# KiCad board FPGA_dev_board.kicad_pcb (continued)
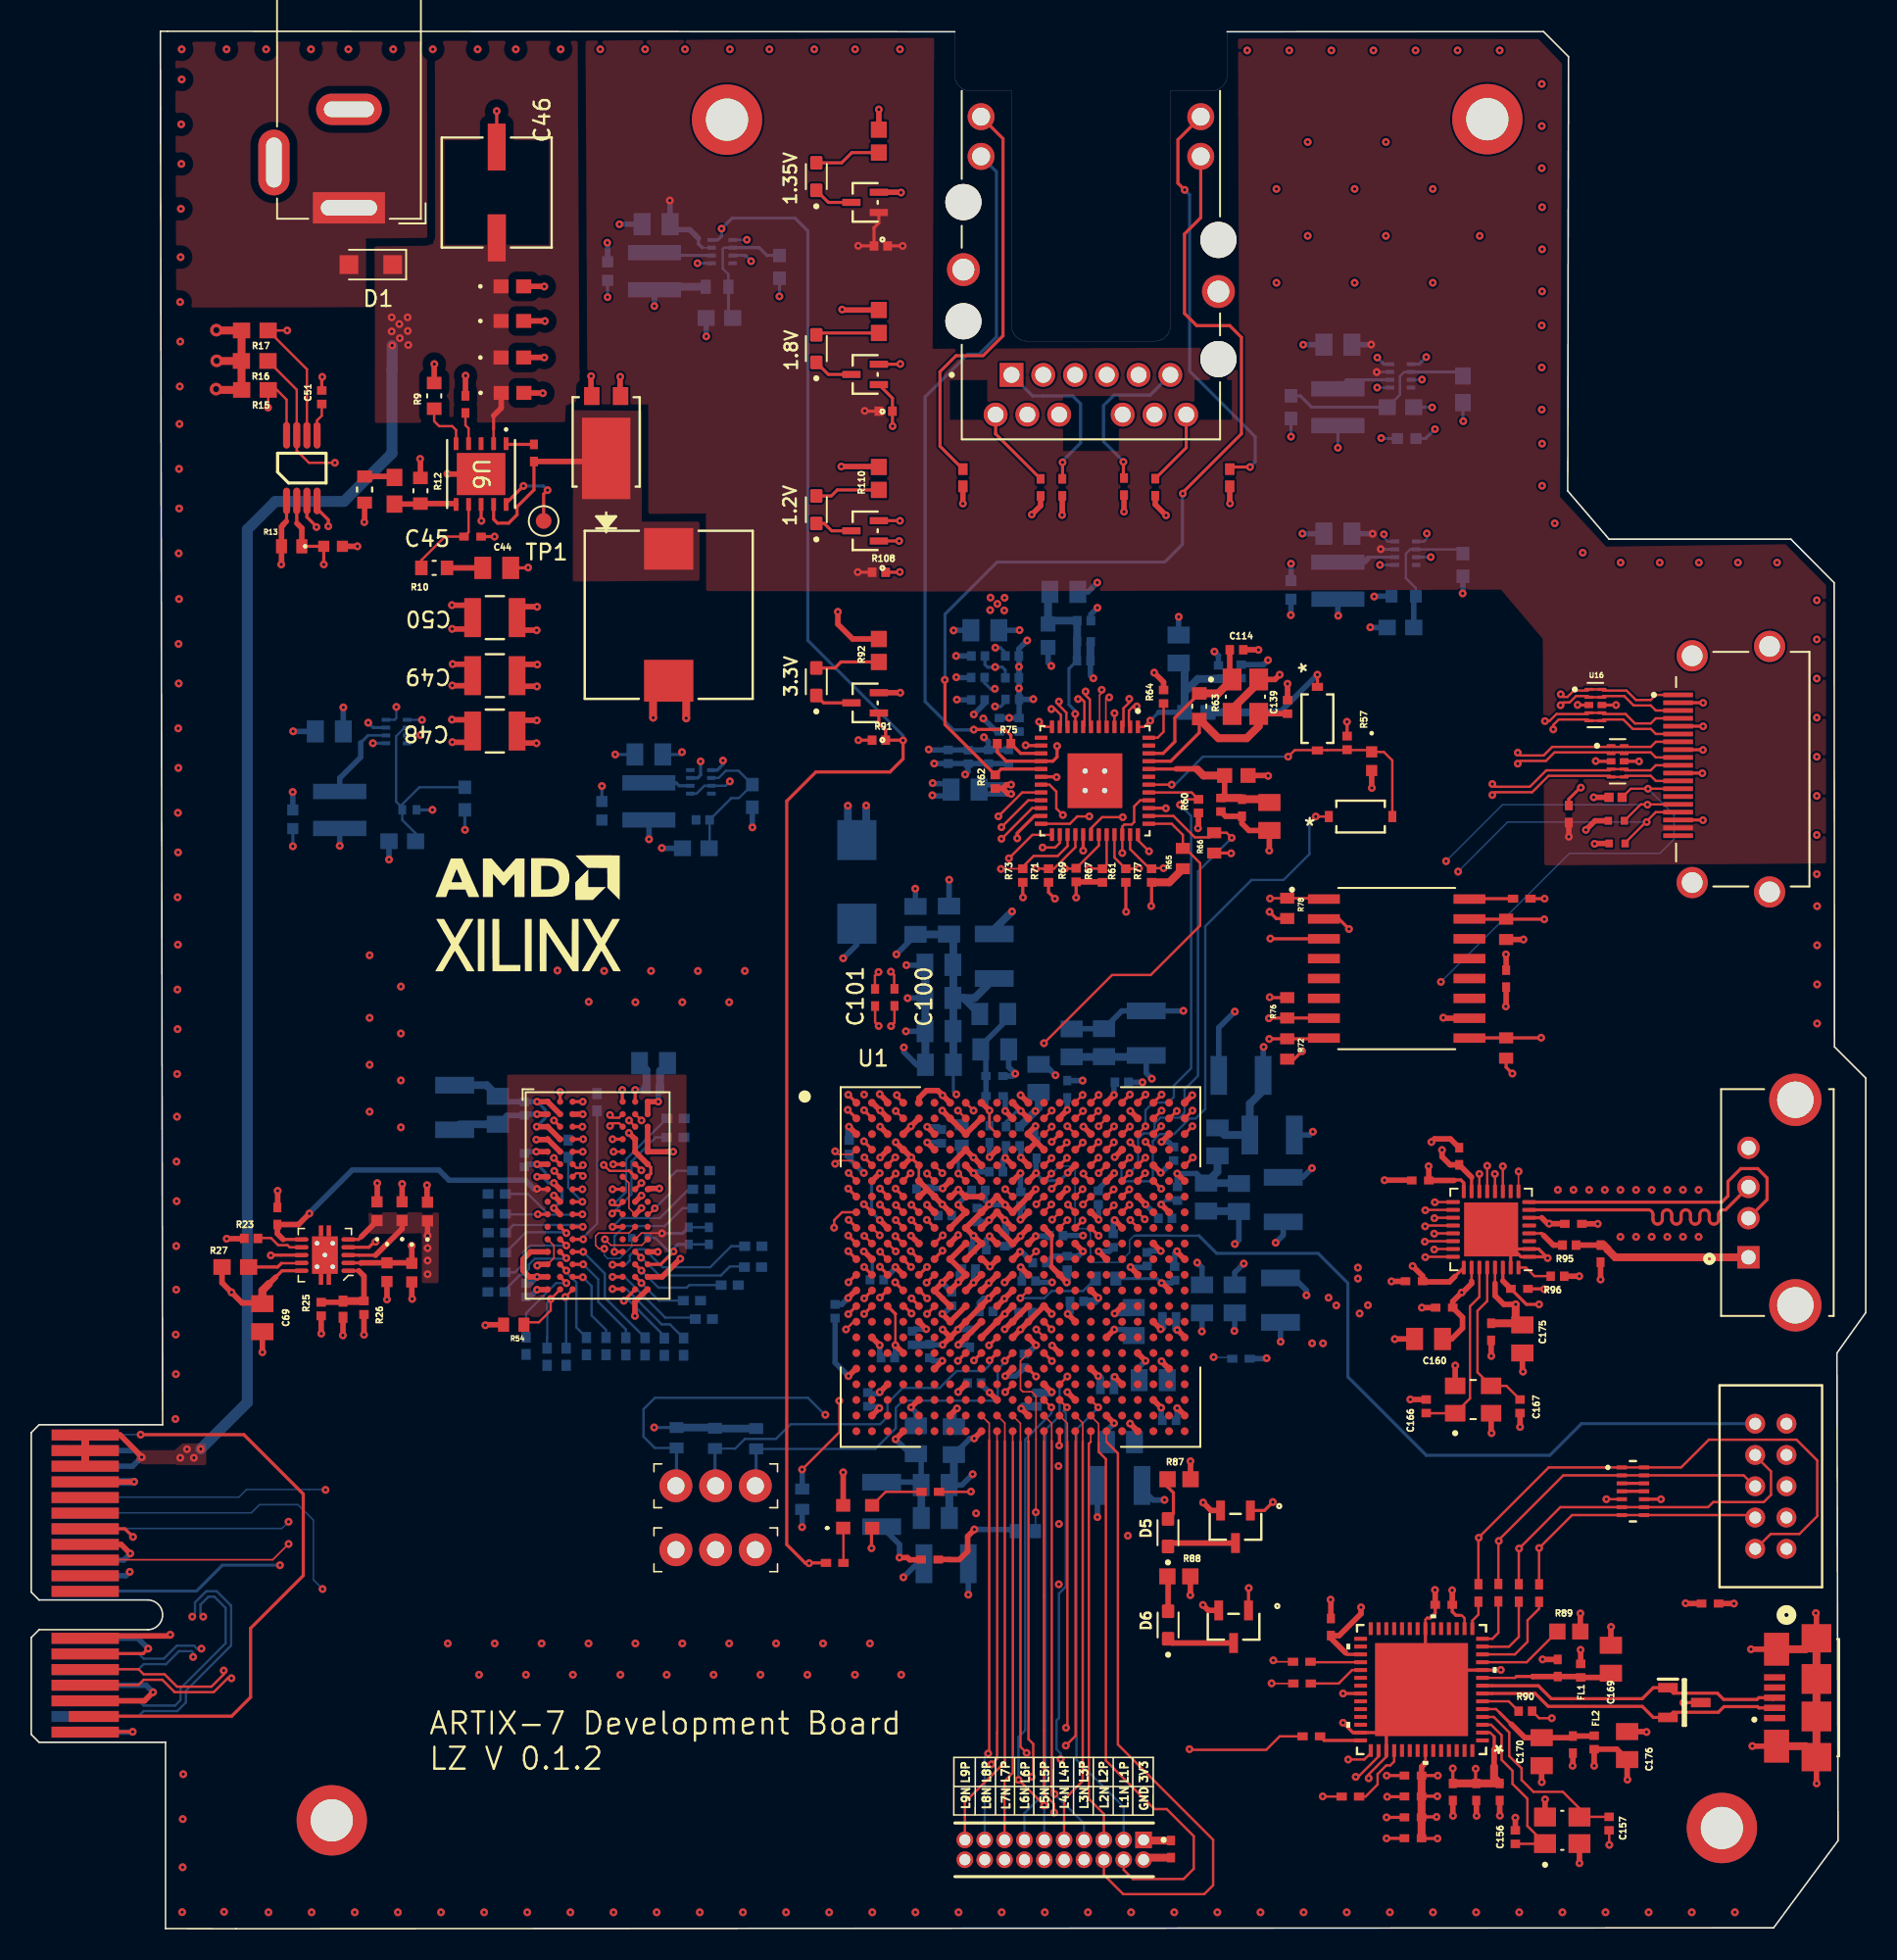
[diagram p0: board, top side]
## Nets (continued)
VCC1V2: C57.1 C58.1 C115.1 C130.1 C131.1 C132.1 C133.1 C134.1 C135.1 C137.1 C138.1 C143.1 C144.1 C145.1 FB2.2 FB3.2 L6.2 R19.1 R68.1 U1.B5 U1.B7 U1.B9 U1.B11 U1.C4 U1.C8 U11.14 U11.18 U11.23 U11.26 U11.30 U11.39
VCC1V8: C19.1 C20.1 C21.1 C22.1 C23.1 C24.1 C25.1 C26.1 C27.1 C28.1 C29.1 C32.1 C34.1 C153.1 C154.1 C155.1 C160.1 C161.1 C165.1 C173.1 C174.1 C175.1 L1.2 R1.1 U1.E12 U1.H12 U1.K10 U1.K12 U1.M12 U1.P12 U1.R11 U12.2 U12.31 U12.43 U13.15 U13.26 U13.29
VCC1V8_EN: R16.1 U2.1 U4.7
VCC1V35: C54.1 C55.1 C60.2 C64.1 C65.1 C72.2 C73.2 C74.2 C75.2 C76.2 C77.2 C78.2 C79.2 C80.2 C81.2 C82.2 C83.2 C84.2 C85.2 C86.2 C87.2 C88.2 C89.2 C90.2 C91.2 L5.2 R14.1 R25.1 U1.AA7 U1.AB4 U1.C1 U1.F2 U1.H6 U1.J3 U1.M4 U1.N1 U1.R5 U1.T2 U1.V6 U1.W3 U9.A1 U9.A8 U9.B2 U9.C1 U9.C9 U9.D2 U9.D9 U9.E9 U9.F1 U9.G7 U9.H2 U9.H9 U9.K2 U9.K8 U9.N1 U9.N9 U9.R1 U9.R9 U10.2
VCC3V3: C37.1 C38.1 C59.1 C69.1 C92.1 C93.2 C94.2 C95.2 C96.2 C97.2 C98.2 C99.2 C103.2 C104.2 C105.2 C106.2 C107.2 C108.2 C109.2 C126.1 C127.1 C128.1 C129.1 C136.1 C146.1 C147.1 C148.1 C149.1 C150.1 C151.1 C152.1 C159.1 C162.1 C163.1 C164.1 C172.1 C176.1 C177.2 C178.2 C179.2 C180.2 C181.2 C182.2 C183.2 C184.2 C185.2 C186.2 C187.2 C188.2 C189.2 C190.2 C192.1 C193.2 D4.1 FB1.2 FL1.1 FL2.1 IC1.2 J2.A9 J2.A10 J2.B8 J6.1 J8.01 L3.2 R5.1 R23.1 R27.1 R57.1 R58.2 R59.2 R60.1 R61.1 R62.1 R65.1 R66.1 R67.1 R69.1 R70.2 R71.1 R72.2 R73.1 R74.2 R75.1 R76.2 R77.1 R78.2 R80.2 R81.2 R82.2 R83.2 R84.2 R85.2 R86.2 R87.2 R88.2 R89.1 R92.2 R97.1 R106.1 R107.1 R110.2 R112.2 R113.2 U1.A17 U1.AA17 U1.AB14 U1.B14 U1.C21 U1.D18 U1.E15 U1.F12 U1.F22 U1.G19 U1.H16 U1.J13 U1.K20 U1.L17 U1.M14 U1.N21 U1.P18 U1.R15 U1.T12 U1.T22 U1.U19 U1.V16 U1.W13 U1.Y10 U1.Y20 U10.10 U11.16 U11.34 U11.40 U12.16 U12.36 U12.44 U12.50 U13.6 U13.16 U13.25 U13.30 Y4.4
VCC3V3_EN: R17.1 U4.6 U5.1 U7.1 U8.1
VCC5V0: C30.1 C31.1 C36.1 C48.1 C49.1 C50.1 C53.1 C56.1 C191.1 J7.18 L4.1 MOSFET3.1 R7.1 R8.1 R13.1 R15.2 R16.2 R17.2 R21.1 R21.2 R91.1 R108.1 U2.7 U3.7 U4.1 U5.7 U7.7 U7.8 U8.7
/ddr3/VTT: C66.1 C67.1 C68.1 R24.1 R28.1 R29.1 R30.1 R31.1 R32.1 R33.1 R34.1 R35.1 R36.1 R37.1 R38.1 R39.1 R40.1 R41.1 R42.1 R43.1 R44.1 R45.1 R46.1 R47.1 R48.1 R49.1 R50.1 R51.1 R52.1 R53.1 U10.3 U10.5
/ddr3/ZQ_TERMINATION: R22.1 U9.L8
/Ethernet/#RESET_N: C102.1 D3.2 D4.2 R57.2 U11.42
/Ethernet/ETH_XI: C114.1 R63.1 U11.46 Y1.1
/Ethernet/ETH_XO: C139.1 R63.2 U11.45 Y1.3
/Ethernet/TRD1_N: J3.10 U11.3
/Ethernet/TRD1_P: J3.11 U11.2
/Ethernet/TRD2_N: J3.5 U11.6
/Ethernet/TRD2_P: J3.4 U11.5
/Ethernet/TRD3_N: J3.2 U11.8
/Ethernet/TRD3_P: J3.3 U11.7
/Ethernet/TRD4_N: J3.9 U11.11
/Ethernet/TRD4_P: J3.8 U11.10
/FPGA Unit A/CLK_100MHZ: R93.2 U1.W11
/FPGA Unit A/CLK_OSC_OUT: R93.1 Y4.3
/FPGA Unit C/CONFIG_M00: J9.3 R83.1 U1.U11
/FPGA Unit C/CONFIG_M10: J9.2 R84.1 U1.U10
/FPGA Unit C/CONFIG_M20: J9.1 R85.1 U1.U9
/FPGA Unit D - E/HSO_RX_0_N: J2.A17 U1.A8
/FPGA Unit D - E/HSO_RX_0_P: J2.A16 U1.B8
/FPGA Unit D - E/HSO_TX_0__GTP_N: C101.1 U1.A4
/FPGA Unit D - E/HSO_TX_0__GTP_P: C100.1 U1.B4
/FPGA Unit D - E/HSO_TX_0_N: C101.2 J2.B15
/FPGA Unit D - E/HSO_TX_0_P: C100.2 J2.B14
/FPGA Unit D - E/REFCLK_N: J2.A14 U1.E6
/FPGA Unit D - E/REFCLK_P: J2.A13 U1.F6
/usb/OSC_in: C156.1 U12.3 Y2.1
/usb/OSC_out: C157.1 U12.4 Y2.3
/usb/R_TCK: R98.1 U12.12
/usb/R_TDI: R99.1 U12.13
/usb/R_TDO: R100.1 U12.14
/usb/R_TMS: R101.1 U12.15
/usb/USB1_D_N: IC2.2 J4.2 U12.7
/usb/USB1_D_P: IC2.1 J4.3 U12.8
/usb/USB3300_XI: C167.1 U13.28 Y3.3
/usb/USB3300_XO: C166.1 U13.27 Y3.1
/usb/USB_D_N: J5.2 U13.8
/usb/USB_D_P: J5.3 U13.7
/usb/VPHY: C170.1 C171.1 FL2.2 U12.5
/usb/VPLL: C168.1 C169.1 FL1.2 U12.9
DDR3_A0: R24.2 U1.L6 U9.N3
DDR3_A1: R28.2 U1.N2 U9.P7
DDR3_A2: R29.2 U1.L4 U9.P3
DDR3_A3: R30.2 U1.M6 U9.N2
DDR3_A4: R31.2 U1.P2 U9.P8
DDR3_A5: R32.2 U1.K6 U9.P2
DDR3_A6: R33.2 U1.N4 U9.R8
DDR3_A7: R34.2 U1.R1 U9.R2
DDR3_A8: R35.2 U1.N5 U9.T8
DDR3_A9: R36.2 U1.M5 U9.R3
DDR3_A10: R37.2 U1.L5 U9.L7
DDR3_A11: R38.2 U1.P1 U9.R7
DDR3_A12: R39.2 U1.M1 U9.N7
DDR3_A13: R40.2 U1.M2 U9.T3
DDR3_A14: R41.2 U1.P6 U9.T7
DDR3_BA0: R42.2 U1.J6 U9.M2
DDR3_BA1: R43.2 U1.N3 U9.N8
DDR3_BA2: R44.2 U1.M3 U9.M3
DDR3_CAS: R51.2 U1.K3 U9.K3
DDR3_CK_N: R46.2 U1.P4 U9.K7
DDR3_CK_P: R45.2 U1.P5 U9.J7
DDR3_CKE: R47.2 U1.L3 U9.K9
DDR3_CS: R49.2 U9.L2
DDR3_DQ0: U1.G3 U9.E3
DDR3_DQ1: U1.J5 U9.F7
DDR3_DQ2: U1.G4 U9.F2
DDR3_DQ3: U1.J1 U9.F8
DDR3_DQ4: U1.H5 U9.H3
DDR3_DQ5: U1.K1 U9.H8
DDR3_DQ6: U1.H4 U9.G2
DDR3_DQ7: U1.H3 U9.H7
DDR3_DQ8: U1.G1 U9.D7
DDR3_DQ9: U1.B1 U9.C3
DDR3_DQ10: U1.D2 U9.C2
DDR3_DQ11: U1.E3 U9.C8
DDR3_DQ12: U1.B2 U9.A7
DDR3_DQ13: U1.F3 U9.A2
DDR3_DQ14: U1.E2 U9.B8
DDR3_DQ15: U1.A1 U9.A3
DDR3_LDM: U1.H2 U9.E7
DDR3_LDQS_N: U1.K2 U9.G3
DDR3_LDQS_P: U1.J2 U9.F3
DDR3_ODT: R53.2 U1.K4 U9.K1
DDR3_RAS: R50.2 U1.L1 U9.J3
DDR3_RST: R48.2 R54.1 U1.F4 U9.T2
DDR3_UDM: U1.F1 U9.D3
DDR3_UDQS_N: U1.D1 U9.B7
DDR3_UDQS_P: U1.E1 U9.C7
DDR3_WE: R52.2 U1.J4 U9.L3
DONE: MOSFET5.1 R80.1 U1.G11
ETH_CLK125_OUT: R60.2 U1.C19 U11.41
ETH_INT_N: R66.2 U1.F18 U11.38
ETH_LED1: J3.15 R62.2 U11.17
ETH_LED2: J3.13 R75.2 U11.15
ETH_MDC: U1.D19 U11.36
ETH_MDIO: R65.2 U1.E14 U11.37
FB: R11.2 R12.1 U6.6
HDMI_CEC: J7.13 R97.2 U1.J16
HDMI_DDC_SCL: J7.15 R106.2 U1.G17
HDMI_DDC_SDA: J7.16 R107.2 U1.G18
HDMI_TMDS_CLK_N: J7.12 U1.H19 U15.5 U15.6
HDMI_TMDS_CLK_P: J7.10 U1.J19 U15.4 U15.7
HDMI_TMDS_D0_N: J7.9 U1.H14 U15.2 U15.9
HDMI_TMDS_D0_P: J7.7 U1.J14 U15.1 U15.10
HDMI_TMDS_D1_N: J7.6 U1.G16 U16.5 U16.6
HDMI_TMDS_D1_P: J7.4 U1.G15 U16.4 U16.7
HDMI_TMDS_D2_N: J7.3 U1.G13 U16.2 U16.9
HDMI_TMDS_D2_P: J7.1 U1.H13 U16.1 U16.10
INIT: MOSFET4.1 R82.1 U1.U12
IO_L1N: J8.04 U1.AA16
IO_L1P: J8.03 U1.Y16
IO_L2N: J8.06 U1.AB17
IO_L2P: J8.05 U1.AB16
IO_L3N: J8.08 U1.AB13
IO_L3P: J8.07 U1.AA13
IO_L4N: J8.10 U1.AB15
IO_L4P: J8.09 U1.AA15
IO_L5N: J8.12 U1.AA14
IO_L5P: J8.11 U1.Y13
IO_L6N: J8.14 U1.Y14
IO_L6P: J8.13 U1.W14
IO_L7N: J8.16 U1.AB12
IO_L7P: J8.15 U1.AB11
IO_L8N: J8.18 U1.AB10
IO_L8P: J8.17 U1.AA9
IO_L9N: J8.20 U1.AA11
IO_L9P: J8.19 U1.AA10
JTAG_TCK: J2.B9 J6.7 R98.2 U1.V12 U14.7 U14.8
JTAG_TDI: J2.A5 J6.9 R99.2 U1.R13 U14.6 U14.9
JTAG_TDO: J2.A6 J6.8 R100.2 U1.U13 U14.2 U14.13
JTAG_TMS: J2.A7 J6.6 R101.2 U1.T13 U14.1 U14.14
NRST: J6.10 U1.F13
PERST#: J2.A11 U1.F14
PROGRAM_B: R81.1 U1.N12
PRSNT: J2.A1 J2.B17
PWR12V: C39.1 C40.1 C41.1 C42.1 C46.1 D1.1 J2.A2 J2.A3 J2.B1 J2.B2 J2.B3 J2.B12 U6.2
QSPI_FLASH_CLK: R79.2 U1.B17 U1.L12
QSPI_FLASH_CS: IC1.7 R76.1 U1.A16
QSPI_FLASH_DQ0: IC1.15 R74.1 U1.A15
QSPI_FLASH_DQ1: IC1.8 R72.1 U1.B16
QSPI_FLASH_DQ2: IC1.9 R70.1 U1.C13
QSPI_FLASH_DQ3: IC1.1 R78.1 U1.B13
QSPI_FLASH_RST: IC1.3 U1.B15
RESET_OUT_N: D3.1 U1.E18
RGMII_RD0: R67.2 U1.D15 U11.32
RGMII_RD1: R69.2 U1.D14 U11.31
RGMII_RD2: R71.2 U1.D16 U11.28
RGMII_RD3: R73.2 U1.E16 U11.27
RGMII_RXC: R77.2 U1.C17 U11.35
RGMII_RXCTL: R61.2 U1.E19 U11.33
RGMII_TD0: U1.C15 U11.19
RGMII_TD1: U1.C14 U11.20
RGMII_TD2: U1.E17 U11.21
RGMII_TD3: U1.F16 U11.22
RGMII_TX_EN: U1.E13 U11.25
RGMII_TXC: U1.C18 U11.24
UART1_RXD: R103.2 U1.H17
UART1_TXD: R102.2 U1.H18
UART2_RXD: R104.2 U1.J15
UART2_TXD: R105.2 U1.H15
ULPI_CLK: U1.D17 U13.14
ULPI_DIR: U1.A20 U13.12
ULPI_DT0: U1.F20 U13.24
ULPI_DT1: U1.F19 U13.23
ULPI_DT2: U1.E22 U13.22
ULPI_DT3: U1.D20 U13.21
ULPI_DT4: U1.C20 U13.20
ULPI_DT5: U1.C22 U13.19
ULPI_DT6: U1.B21 U13.18
ULPI_DT7: U1.B22 U13.17
ULPI_NXT: U1.A19 U13.11
ULPI_RST: U1.A18 U13.9
ULPI_STP: U1.B20 U13.13
VREFDQ: C61.1 C62.1 C70.1 U9.H1 U9.M8 U10.6
Net-(C44-Pad1): C44.1 R10.2
Net-(D2-PadA): D2.A R110.1
Net-(D5-PadA): D5.A R87.1
Net-(D6-PadA): D6.A R88.1
Net-(D7-PadA): D7.A R112.1
Net-(D8-PadA): D8.A R113.1
Net-(D9-PadA): D9.A R92.1
Net-(IC1-C): IC1.16 R79.1
Net-(J3-Pad14): J3.14 R59.1
Net-(J3-Pad16): J3.16 R58.1
Net-(J3-TRCT1): C110.1 J3.12
Net-(J3-TRCT2): C111.1 J3.6
Net-(J3-TRCT3): C112.1 J3.1
Net-(J3-TRCT4): C113.1 J3.7
Net-(MOSFET1-D): D7.C MOSFET1.3
Net-(MOSFET2-D): D2.C MOSFET2.3
Net-(MOSFET3-D): D8.C MOSFET3.3
Net-(MOSFET4-D): D5.C MOSFET4.3
Net-(MOSFET5-D): D6.C MOSFET5.3
Net-(MOSFET6-D): D9.C MOSFET6.3
Net-(R11-Pad1): R8.2 R11.1
Net-(U1E-MGTRREF_216): R68.2 U1.F8
Net-(U1F-CFGBVS_0): R86.1 U1.U8
Net-(U2-FB): C32.2 R1.2 R2.1 U2.2
Net-(U2-SW): L1.1 U2.6
Net-(U3-FB): C33.2 R3.2 R4.1 U3.2
Net-(U3-SW): L2.1 U3.6
Net-(U4-TADJ): C51.1 U4.5
Net-(U5-FB): C37.2 R5.2 R6.1 U5.2
Net-(U5-SW): L3.1 U5.6
Net-(U6-BOOT): C47.2 U6.1
Net-(U6-COMP): C45.1 R10.1 U6.7
Net-(U6-RT/CLK): R9.1 U6.5
Net-(U6-SS/TR): C43.1 U6.4
Net-(U6-SW): C47.1 CR1.1 L4.2 U6.9
Net-(U7-FB): C54.2 R14.2 R18.1 U7.2
Net-(U7-SW): L5.1 U7.6
Net-(U8-FB): C57.2 R19.2 R20.1 U8.2
Net-(U8-SW): L6.1 U8.6
Net-(U10-EN): R23.2 U10.7
Net-(U10-PGOOD): R27.2 U10.9
Net-(U10-REFIN): C63.1 R25.2 R26.2 U10.1
Net-(U11-ISET): R64.1 U11.48
Net-(U12-CDBUS0): R102.1 U12.32
Net-(U12-CDBUS1): R103.1 U12.33
Net-(U12-DDBUS0): R105.1 U12.42
Net-(U12-DDBUS1): R104.1 U12.46
Net-(U12-REF): R90.2 U12.6
Net-(U12-RESET#): R89.2 U12.11
Net-(U13-RBIAS): R96.2 U13.32
Net-(U13-VBUS): R95.2 U13.4
Net-(Y4-TRI-STATE): R94.2 Y4.1

Pads without a net: IC1 4 5 6 11 12 13 14; J2 A8 B5 B6 B10 B11; J4 1 4 5; J6 4; J7 14 19; U1 A6 A10 A13 A14 A21 AA1 AA3 AA4 AA5 AA6 AA8 AA18 AA19 AA20 AA21 AB1 AB2 AB3 AB5 AB6 AB7 AB8 AB18 AB20 AB21 AB22 B6 B10 B18 C2 C5 C7 C9 C11 D5 D7 D9 D11 D21 D22 E10 E21 F10 F15 F21 G2 G20 G21 G22 H20 H22 J17 J20 J21 J22 K13 K14 K16 K17 K18 K19 K21 K22 L13 L14 L15 L16 L18 L19 L20 L21 M13 M15 M16 M17 M18 M20 M21 M22 N13 N14 N15 N17 N18 N19 N20 N22 P14 P15 P16 P17 P19 P20 P21 P22 R2 R3 R4 R6 R14 R16 R17 R18 R19 R21 R22 T1 T3 T4 T5 T6 T14 T15 T16 T18 T19 T20 T21 U1 U2 U3 U5 U6 U7 U15 U16 U17 U18 U20 U21 U22 V2 V3 V4 V5 V7 V8 V9 V10 V13 V14 V15 V17 V18 V19 V20 V22 W1 W2 W4 W5 W6 W7 W9 W10 W12 W15 W16 W17 W19 W20 W21 W22 Y1 Y2 Y3 Y4 Y6 Y7 Y8 Y9 Y11 Y12 Y17 Y18 Y19 Y21 Y22; U2 4; U3 4 8; U5 4; U6 3; U7 4; U8 4; U9 J1 J9 L1 L9 M7; U10 11; U11 13 43 47; U12 1 17 18 19 20 22 23 24 25 26 27 28 29 30 34 35 37 38 39 40 47 48 49 51 52 53 54 55 56; U13 3 5 10; U14 3 4 11 12

## Via types
v1: diameter 0.5, hole 0.2, Top to Bottom, 1016 vias
v2: diameter 0.8, hole 0.4, Top to Bottom, 3 vias

## Routing (per net, layer and track width the routed paths; a pad name or vN(x,y) marks a point on that pad's centre or on a via; arc(x,y) is an arc through that point)
3V3_PG: length 105.8
  Top w0.2: MOSFET6.1 54.21,77.05 54.64,76.62 R91.2 55.74,76 v1(55.76,75.98) 55.76,74.8 54.92,73.96 50.18,73.96 48.32,72.1 48.32,24.56 49.51,23.37 v1(49.75,23.37) 49.77,23.39 R94.1
  Bottom w0.2: U5.8 43.92,107.99 44.15,108.22 v1(44.15,108.7) 44.82,109.37 48.85,109.37 49.67,108.55 49.67,82.37 55.76,76.28 v1(55.76,75.98)
/Ethernet/AVDDH: length 20
  Top w0.15: v1(64.46,77.17) 64.78,76.84 U11.12 ; v1(71.57,77.24) 71.17,76.84 U11.1
  In2.Cu w0.35: v1(71.57,77.24) 71.57,77.07 71.06,76.56 65.07,76.56 v1(64.46,77.17)
  Bottom w0.2: v1(71.57,77.24) 72.11,77.78
  Bottom w0.35: 72.11,77.78 FB1.1
  Bottom w0.5: FB1.1 73.77,78.4 ; 73.77,78.4 73.77,79.07 74.61,79.91 C117.1 75.98,79.96 C116.1 ; 73.77,78.4 73.77,80.54 C118.1
/Ethernet/AVDDL: length 14.6
  Top w0.15: U11.9 66.78,77.66 v1(66.77,77.67) ; v1(69.28,77.72) U11.4
  In2.Cu w0.35: v1(69.28,77.72) 69.23,77.67 v1(66.77,77.67)
  Bottom w0.2: C120.1 66.37,80.56 66.37,78.26 66.77,77.86 v1(66.77,77.67)
  Bottom w0.35: 66.88,82.27 C119.1
  Bottom w0.5: C122.1 65.03,85.36 FB2.1 65.25,83.63 C121.1 66.89,83.63 C119.1 ; C120.1 66.88,82.27
/Ethernet/AVDDL_PLL: length 9.8
  Top w0.2: U11.44 73.22,74.15 73.23,74.16
  Top w0.35: 78.97,72.22 C125.1 ; 73.23,74.16 74.55,74.16 74.59,74.12 ; 77.36,72.3 C124.1 ; FB3.1 76.33,72.54 C123.1
  Top w0.5: 74.59,74.12 74.97,73.73 FB3.1 ; C124.1 78.97,72.22 ; C123.1 77.36,72.3
/Power Supply/1V2_PG: length 63.6
  Top w0.2: R108.2 55.53,86.73 v1(55.55,86.75) ; MOSFET2.1 v1(55.51,88.73)
  In5.Cu w0.2: v1(55.51,88.73) 55.55,88.69 v1(55.55,86.75) 69.33,86.75 70.13,85.95 89.49,85.95 94.05,90.51 94.05,98.38 90.78,101.65 88,101.65 86.81,100.46 v1(86.09,100.46)
  Bottom w0.2: U8.8 86.51,100.04 v1(86.09,100.46)
/Power Supply/1V8_PG: length 39.8
  Top w0.2: MOSFET1.1 55.08,97.86 R7.2 55.08,96.08 v1(55.09,96.07)
  In5.Cu w0.2: v1(55.09,96.07) 55.09,94.62 56.94,92.77 75.17,92.77 75.66,92.28 84.46,92.28 86.51,90.23 v1(86.51,89.16)
  Bottom w0.15: v1(86.51,89.16) 86.51,88.96 86.77,88.7 U2.8
/Power Supply/5V0_PG: length 25.8
  Top w0.2: v1(18.71,87.23) 18.71,87.23 C52.1 R13.2 ; U6.10 30.37,91.14 v1(31.48,92.25) ; U4.2 16.98,89.87 16.99,89.86 ; v1(33.02,91.98) 32.77,91.73 TP1.1
  Top w0.35: R13.2 17.31,89.54 16.99,89.86
  In5.Cu w0.2: v1(31.48,92.25) 30.62,91.39 26.43,91.39 22.27,87.23 v1(18.71,87.23)
  Bottom w0.2: v1(33.02,91.98) 32.75,92.25 v1(31.48,92.25)
/usb/VBUS_USB: length 11.4
  Top w0.35: R95.1 C158.1
  Top w0.5: J5.1 101.31,42.93 100.82,43.42 100.82,43.46 100.57,43.71 C158.1
GND: length 538
  Top w0.1: U9.M1 33.43,43.67 33.43,42.88 U9.P1 ; v1(36.69,44.08) 37.06,43.7 39.05,43.7 U9.M9 ; U1.D12 63.79,49.81
  Top w0.15: R90.1 96.44,13.46 v1(97.25,13.46) ; v1(36.61,48.83) 36.99,48.45 38.2,48.45 38.22,48.48 ; U12.45 86.67,11 85.54,9.87 v1(85.54,9.62) ; 89.29,19.87 89.27,19.87 89.17,19.77 U12.21 ; v1(55.27,37.31) 55.27,39.28 ; 93.98,16.54 v1(93.99,16.55) ; v1(100.74,27.46) U14.5 ; U1.H1 51.86,45.81 51.35,45.3 v1(51.35,44.82) ; C157.2 100.92,5.37 v1(100.93,5.36) ; v1(59.27,38.31) 59.27,38.31 ; U1.F5 U1.E5 ; U1.C10 61.29,51.29 61.29,52.31 v1(61.29,52.31) ; U4.4 18.28,90.8
  Top w0.2: v1(105.67,14.45) 105.68,14.46 IC2.3 ; U12.21 89.17,15.54 U12.57 ; v1(106.93,78.38) 106.92,78.39 J7.2 ; U1.L2 53.77,42.81 ; 87.82,5.78 86.68,5.78 ; C172.2 89.79,20.18 89.48,19.87 89.29,19.87 ; 15.34,43.07 U10.8 ; 4.11,25.57 5.99,25.57 v1(6.51,25.05) ; U1.L9 60.84,42.81 ; v1(7.48,17.91) 7.16,17.59 3.64,17.59 ; C150.2 86.69,9.79 v1(86.69,9.79) ; 19,89.66 19,90.08 18.28,90.8 ; v1(98.9,78.25) 98.91,78.24 U16.3 ; 76.8,77.67 76.8,77.98 ; U1.E5 56.29,49.29 v1(56.29,49.32) ; C191.2 98.34,72.23 99.05,72.94 ; U6.8 28.77,90.04 v1(28.79,90.02) ; 94.62,43.46 U13.2 96.41,43.46 v1(96.99,42.88) 96.91,42.96 U13.1 95.28,42.96 93.53,44.71 U13.33 94.62,43.46 ; 94.62,43.46 U13.31 ; U9.G8 38.22,48.48 ; 55.27,39.28 55.27,39.31 U1.P3 ; v1(96.77,40.89) 96.75,40.91 C163.2 ; U9.G9 39.62,48.28 39.62,48.68 U9.F9 ; v1(53.74,24.33) 53.74,25.58 Y4.2 ; U1.K5 56.77,43.81 ; 78.5,79.69 Y1.4 ; U12.57 90.17,16.54 U12.10 93.98,16.54 ; U12.57 86.17,12.54 U12.41 84.53,12.54 v1(83.9,13.17) ; U12.57 86.67,13.04 U12.45 ; C51.2 18.58,99.19 v1(18.61,99.22) ; C46.2 v1(29.77,116.22) ; 87.82,7.12 86.68,7.12 ; 87.86,8.44 86.72,8.44 ; U10.4 21.6,43.57 21.98,43.95 ; MOSFET1.2 55.56,100.03 v1(55.58,100.05) ; 105.32,75.38 106.91,75.38 ; U1.N6 57.77,40.81 ; 90.34,58.22 v1(90.31,58.25) ; 67.28,69.95 v1(67.28,68.93) ; U9.P9 40.26,42.48 v1(41.08,43.3) ; MOSFET2.2 55.55,90.03 v1(55.56,90.02) ; 90.92,7.23 v1(90.93,7.22) ; J7.5 106.92,76.89 ; C45.2 v1(29.63,89.01) ; 3.64,12.59 v1(6.49,12.59) ; U1.M7 58.77,41.81 ; v1(104.23,27.46) U14.10 ; U4.3 17.63,90.26 18.26,89.63 ; U15.3 100.08,74.64 v1(100.06,74.66) ; C44.2 31.76,87.01 v1(31.78,87.03) ; U15.8 v1(102.83,74.64) ; 105.32,70.89 106.91,70.89 ; U16.8 v1(101.36,78.24) ; 94.33,58.99 v1(94.31,58.97) ; 105.28,73.89 106.87,73.89
  Top w0.35: 70.75,31.82 v1(70.28,32.3) ; U1.G6 v1(58.27,46.31) ; v1(58.27,46.31) 58.27,46.31 ; v1(58.27,46.31) U1.H7 ; C172.2 89.79,21.65 v1(89.78,21.66) ; J4.S6 114.18,20.14 v1(114.14,20.18) ; v1(32.81,105) 32.8,105.01 C39.2 ; C112.2 65.94,90.4 v1(65.93,90.39) ; U1.T9 U1.R10 61.77,38.81 v1(62.27,39.31) 62.77,39.81 U1.P11 ; 53.77,42.81 53.27,43.31 ; 69.79,44.81 v1(69.29,45.31) ; v1(88.94,39.71) C174.2 ; 72.79,35.78 v1(72.29,36.28) ; 32.97,50.45 v1(32.3,50.45) ; C113.2 64.56,90.99 v1(63.99,90.42) ; 55.78,48.81 v1(56.29,49.32) 55.8,49.81 U1.D4 55.77,49.81 v1(55.29,50.28) ; 65.8,36.77 v1(65.29,37.28) ; 56.77,47.81 U1.F5 57.29,47.29 57.29,47.28 ; C69.2 v1(14.78,36.86) ; v1(54.24,33.28) 53.77,32.81 U1.AA2 ; v1(93.4,31.69) 93.37,31.72 Y3.2 ; 62.73,41.8 v1(62.25,41.32) ; U1.G9 U1.G8 ; 35.8,97.95 35.8,99.26 ; MOSFET6.2 v1(55.58,79.03) ; v1(96.61,9.37) 96.6,9.38 C170.2 ; 54.77,49.81 U1.D3 54.77,49.79 v1(54.29,49.31) ; 57.77,46.81 57.29,47.28 ; 57.29,47.28 56.82,46.81 U1.G5 ; U1.J12 63.27,44.31 v1(63.27,44.28) 62.77,43.78 ; C114.2 78.48,81.78 v1(78.49,81.77) ; v1(72.24,48.34) 72.24,48.34 U1.E20 ; 63.77,50.79 U1.C12 ; U1.C12 63.77,50.86 v1(64.23,51.32) ; U1.C12 64.28,50.3 ; v1(38.22,50.88) U9.D8 U9.E8 U9.F9 ; v1(59.28,44.35) 58.77,43.84 U1.K7 58.77,43.83 ; C123.2 76.39,71.13 C124.2 77.44,70.66 77.88,70.22 C125.2 79.19,68.94 v1(79.18,68.93) ; 54.77,52.86 v1(54.27,53.36) ; U1.D13 64.28,50.3 ; 64.28,50.3 63.79,49.81 ; 28.2,79.48 26.94,79.48 ; C139.2 v1(80.35,79.6) ; v1(54.29,51.28) 54.76,50.81 U1.C3 ; v1(64.24,47.28) 63.77,46.81 U1.G12 U1.H11 62.77,45.81 v1(62.29,46.28) 61.77,46.81 U1.G10 U1.H9 U1.J8 59.77,44.81 v1(60.27,44.31) 60.77,43.81 U1.K9 U1.L8 ; U1.B19 70.77,51.81 v1(70.29,52.28) ; U1.A11 62.77,52.81 v1(63.29,52.28) 63.77,51.81 U1.B12 ; v1(87.21,37.7) 87.22,37.71 C160.2 ; v1(94.92,7.1) C156.2 ; v1(110.08,11.68) 110.09,11.67 J4.S1 ; v1(91.08,36.01) 91.07,36 Y3.4 ; 64.75,39.82 v1(65.27,39.31) ; C64.2 24.34,40.28 ; U9.P1 32.44,42.48 v1(32.36,42.4) ; U9.A9 v1(40.1,52.88) ; 72.77,45.81 v1(72.27,46.31) ; v1(71.82,80.31) 72.42,79.71 R64.2 ; v1(88.2,33.84) 88.2,33.84 C166.2 ; 92.43,8.2 92.43,7.23 ; 31.53,102.8 32.84,102.8 ; 27.77,97.98 27.77,99.29 ; 33.03,40.85 v1(32.35,40.85) ; C193.1 56.9,23.59 56.18,23.59 56.04,23.73 v1(55.53,23.73) ; v1(79.85,80.18) 79.55,79.88 Y1.4 ; 73.77,52.81 U1.A22 ; v1(23.72,47.62) C68.2 ; U1.P7 58.77,39.81 58.29,40.28 58.29,40.29 U1.N6 ; v1(15.76,47.18) 15.76,46.14 C70.2 ; 69.79,34.78 v1(69.29,35.28) ; U1.G14 65.77,46.81 v1(66.24,47.28) ; v1(61.29,52.31) 60.79,52.81 U1.A9 ; v1(58.29,38.31) 58.77,37.83 U1.T7 58.77,37.81 v1(59.27,38.31) ; U1.E9 60.77,48.81 v1(60.27,49.31) 59.77,49.81 U1.D8 U1.E7 ; U1.F17 68.77,47.81 v1(69.27,48.31) ; v1(55.63,111.01) 55.61,111.03 MOSFET3.2 ; 25.77,98.72 25.77,100.03 ; 39.4,40.88 38.61,40.09 v1(38.61,39.18) ; C102.2 85.73,72.95 v1(85.74,72.94) ; v1(26.62,93.02) 26.63,93.01 U6.11 ; 59.75,34.79 v1(59.28,34.32) ; 56.77,43.81 v1(56.27,44.31) ; 37.66,97.91 37.66,99.22 ; U1.M9 60.77,41.81 v1(60.27,41.31) 59.77,40.81 U1.N8 ; v1(93.38,36.62) 93.37,36.63 C161.2 ; U1.T11 U1.R12 U1.P13 ; 28.21,75.86 26.94,75.86 ; R54.2 29.08,38.62 v1(29.04,38.58) ; C162.2 88.28,47.86 v1(86.55,47.86) ; U1.J10 U1.K11 ; U1.N10 61.74,40.81 v1(61.24,40.31) 60.77,39.84 U1.P9 U1.R8 59.27,38.31 ; 71.77,38.81 v1(72.24,38.34) ; v1(6.58,28.58) 6.57,28.57 J2.A4 ; 58.77,41.81 v1(58.27,41.31) 57.77,40.81 ; U1.G7 58.84,46.81 v1(59.29,47.26) 59.79,46.76 ; 58.79,52.78 v1(58.29,53.28) 57.99,53.59 57.25,53.59 56.77,53.11 U1.A5 ; v1(114.19,9.29) 114.18,9.3 J4.S3 ; U9.B1 v1(32.35,52.08) ; U1.U4 55.77,36.81 v1(55.27,37.31) ; 34.6,52.08 v1(35.28,52.08) ; U1.E11 62.77,48.81 v1(62.29,49.28) ; C169.2 101.03,19.29 v1(101.04,19.3) ; C168.2 96.66,17.22 v1(96.66,17.22) ; C171.2 98.6,10.44 v1(98.58,10.42) ; v1(103.31,12.58) 103.29,12.6 C176.2 ; C155.2 90.92,7.23 ; R96.1 v1(99.01,41.72) ; v1(74.95,27.25) 75.46,26.74 MOSFET4.2 ; 62.77,35.81 v1(62.29,35.34) ; U1.B3 54.77,51.84 v1(54.29,52.32) 53.8,52.81 U1.A2 ; 31.49,100.47 32.8,100.47 ; U9.J8 v1(39.03,46.88) ; C175.2 95.37,35.66 v1(95.41,35.62) ; 63.75,52.82 v1(63.28,53.3) ; U1.M11 62.77,41.81 ; C158.2 v1(100.37,41.51) ; v1(87,41.39) 87.88,41.39 ; 58.82,37.86 v1(58.29,37.34) ; v1(73.29,33.28) 73.32,33.28 73.78,32.82 ; C65.2 v1(22.75,40.23) ; C111.2 v1(69.89,90.6) ; 67.77,40.81 v1(68.25,40.33) ; 61.79,42.81 v1(61.32,42.34) 60.84,42.81 ; 28.23,80.85 26.96,80.85 ; U1.F11 62.77,47.81 v1(63.27,48.31) ; 73.28,43.28 73.8,42.76 ; 60.78,31.82 v1(60.31,31.35) ; 57.78,50.8 v1(57.3,51.27) ; R12.2 24.89,93.96 ; 83.14,20.99 83.12,20.97 C173.2 ; v1(105.81,20.81) 105.83,20.79 C147.2 ; 28.18,77.3 26.92,77.3 ; R26.1 v1(21.28,37.98) ; IC1.10 90.34,58.22 ; U9.G1 v1(32.35,48.08) ; 68.77,37.81 v1(69.27,38.31) ; 32.97,49.68 v1(32.3,49.68) ; v1(72.58,90.37) 71.89,91.06 C110.2 ; C159.2 v1(100.19,45.07) ; 63.79,32.78 v1(63.32,33.26) ; J2.B16 7.24,14.57 v1(7.79,15.12) ; v1(56.27,33.34) 56.74,33.81 U1.Y5 ; U9.J2 v1(33.42,46.88) ; 70.3,42.3 70.78,41.82 ; U9.B9 39.42,52.75 ; v1(89.55,50.3) 89.75,50.5 90.77,50.5 C165.2 ; 28.18,84.62 26.92,84.62 ; v1(67.27,43.31) 66.77,43.81 U1.K15 ; MOSFET5.2 75.29,20.35 v1(74.94,20.7) ; 28.19,83.1 26.93,83.1 ; Y2.2 v1(99.02,4.19) ; 31.4,98.19 32.71,98.19 ; v1(67.29,51.28) 67.77,50.81 U1.C16 ; C63.2 19.94,37.95 v1(19.93,37.94) ; U1.N9 60.77,40.81 v1(61.24,41.28) 61.77,41.81 U1.M10 ; v1(25.31,47.54) 25.31,46.48 C67.2 ; v1(20.86,88.39) C52.2 ; J4.S2 v1(109.99,17.87) ; 52.77,35.84 v1(52.27,35.34) ; v1(22.13,47.67) 22.13,46.49 C66.2 ; U9.E2 U9.D1 ; 73.78,52.82 v1(74.25,53.3) ; 66.78,33.8 v1(66.27,34.31) ; C167.2 v1(95.22,32.08) ; Y2.4 v1(96.82,8.27) ; C146.2 94.33,58.99 ; 93.92,8.21 93.92,7.24
  Top w0.5: C192.2 71.27,4.54 J8.02 ; J4.S2 113.48,17.87 J4.S6 J4.S3 113.48,11.67 J4.S1 ; 76.8,77.98 78.5,79.69
  Bottom w0.15: 61.28,52.3 v1(61.29,52.31) ; U3.5 42.55,72.58 43.05,73.08 U3.3 44.41,73.08 44.66,73.33 ; v1(88.95,99.05) 88.94,99.03 U8.3 ; 41.08,43.49 v1(41.08,43.3) 40.78,43.3 39.91,44.17 R22.2 ; 60.01,38.31 C142.2 ; v1(86.08,98.54) 86.08,98.54 U8.5 ; C62.2 C61.2
  Bottom w0.2: v1(53.25,43.31) 53.79,42.76 53.79,41.63 C82.1 ; v1(63.29,52.28) 63.05,52.28 62.34,51.59 C29.2 ; C58.2 86.36,95.28 v1(86.34,95.31) ; U2.3 89.51,87.7 v1(89.51,87.7) ; U2.5 86.26,87.2 v1(86.26,87.2) ; 59.19,80 v1(59.16,80.02) ; C83.1 52.31,49.26 ; 72.47,27.41 v1(72.48,27.42) ; v1(91.59,96.39) 91.57,96.41 R20.2 ; C88.1 31.89,40.4 ; U5.5 42.61,106.49 v1(42.61,106.49) ; 59.22,78.57 v1(59.2,78.59) ; C185.1 72.95,45.62 v1(72.27,46.31) 72.53,46.56 C107.1 ; v1(36.5,73.06) C35.2 ; U5.3 45.67,106.98 v1(46.04,106.62) ; v1(56.29,49.32) 56.76,48.85 56.76,47.44 C3.2 ; v1(37.35,75.08) C31.2 ; 60.64,39.47 60.64,39.7 ; C62.2 41.34,43.75 41.08,43.49 ; U7.3 24.88,76.3 v1(24.9,76.32) ; C141.2 61.28,52.3 ; C190.1 71.04,28.12 ; U7.5 v1(21.85,75.8) ; 59,83.03 v1(58.99,83.01) ; 59.16,81.38 v1(59.15,81.38)
  Bottom w0.35: v1(69.27,48.31) 68.25,47.29 68.25,47.17 ; C25.2 63.27,47.15 v1(63.27,48.31) ; v1(69.27,38.31) 70.03,38.31 70.53,37.81 ; v1(56.54,66.5) 56.55,66.49 C2.2 ; 58.89,45.52 58.89,45.69 v1(58.27,46.31) ; v1(55.81,56.35) 55.81,56.06 56.63,55.24 C5.2 ; C115.2 59.16,81.38 ; C117.2 75.93,81.4 v1(75.67,81.66) ; C103.1 80.07,44.35 v1(79.59,43.86) ; v1(73.28,43.32) 73.13,43.17 C96.1 ; v1(72.24,48.34) 72.28,48.34 C108.1 ; v1(43.17,101.81) 43.16,101.82 R6.2 ; v1(70.3,42.3) 71.29,42.3 C109.1 ; C122.2 67.58,85.47 v1(68.18,86.07) ; v1(73.29,33.28) 73.29,32.58 C186.1 ; C140.2 62.45,58.16 60.72,56.44 60.72,56.22 61.05,55.89 C144.2 61.06,54.51 C145.2 61.06,52.54 v1(61.29,52.31) ; C148.2 78.79,56.35 v1(78.82,56.38) ; v1(52.27,35.34) 51.41,36.19 C81.1 ; 71.04,28.12 71.75,27.41 72.47,27.41 ; v1(57.4,75.4) 57.43,75.37 C127.2 62.5,75.37 C128.2 ; v1(32.3,49.68) 31.64,49.68 C87.1 ; C9.2 65.35,43 C99.1 66.96,43 v1(67.27,43.31) ; C132.2 63.18,81.36 C134.2 63.17,81.84 v1(63.7,82.37) ; C132.2 64.08,78.6 v1(64.09,78.62) ; C132.2 63.19,78.6 C135.2 63.17,77.42 61.92,77.42 ; v1(58.71,67.07) 58.7,67.06 C6.2 ; v1(6.49,12.59) 6.47,12.57 J2.A18 ; v1(63.27,44.28) 62.63,43.65 62.26,43.65 ; C8.2 57.16,57.38 v1(55.94,57.38) ; C138.2 59,83.03 ; v1(32.35,52.08) 31.61,52.08 C60.1 30.41,52 C89.1 ; C120.2 67.74,80.14 v1(67.93,79.95) ; v1(70.28,32.3) 70.55,32.02 C105.1 ; C73.1 60.05,31.35 v1(60.31,31.35) ; R4.2 40.35,69.08 v1(40.33,69.1) ; v1(7.79,15.12) 7.34,15.57 J2.A15 ; v1(37.62,108.98) 37.62,108.98 C36.2 ; C188.1 77.24,44.04 v1(76.98,43.78) ; C26.2 64.03,39.08 63.27,38.32 v1(63.27,38.31) ; v1(65.29,41.33) 64.32,41.33 64.22,41.42 ; C179.1 62.97,35.34 v1(62.29,35.34) ; C59.2 64.23,50.43 v1(64.23,51.32) ; v1(71.07,54.12) C106.1 ; C56.2 81.36,101.28 v1(81.35,101.28) ; C13.2 58.03,51.27 v1(57.3,51.27) ; R2.2 85.66,83.2 v1(85.64,83.21) ; C116.2 78.81,80.82 v1(79.1,81.11) ; v1(60.93,76.18) 61.22,75.9 C129.2 ; v1(56.27,33.34) 56.58,33.02 C74.1 ; C84.1 53.53,33.38 54.15,33.38 v1(54.24,33.28) ; v1(67.27,44.32) C28.2 ; v1(61.24,40.31) 60.91,40.31 60.64,40.03 60.64,39.7 ; R18.2 v1(22.88,68.36) ; C24.2 62.29,50.01 v1(62.29,49.28) 62.14,49.14 C12.2 ; v1(67.24,54.23) 66.26,54.23 ; v1(40.1,52.88) 40.1,53.56 C86.1 ; v1(73.39,83.88) 73.38,83.87 C118.2 ; C130.2 59.22,78.57 ; v1(16.75,76.56) 16.76,76.55 C53.2 ; 55.22,36.51 55.27,36.55 v1(55.27,37.31) ; 40.22,54.86 C90.1 ; 67.74,82.27 C119.2 ; C182.1 76.97,38.24 v1(76.95,38.22) ; C14.2 60.27,42.05 v1(60.27,41.31) ; v1(61.27,46.31) 61.29,46.28 v1(62.29,46.28) ; v1(61.27,46.31) 61.02,46.56 C11.2 ; v1(61.27,46.31) 61.03,46.07 C10.2 ; C4.2 57.14,61.61 v1(55.97,61.61) ; v1(7.48,17.91) 6.82,18.57 J2.A12 ; 27.43,51.44 C91.1 ; v1(59.27,38.31) 60.01,38.31 ; C98.1 69.2,45.22 v1(69.29,45.31) ; v1(58.27,41.31) 58.87,40.71 C16.2 ; v1(56.05,59.5) 56.06,59.51 C7.2 ; v1(79.91,37.53) 79.9,37.54 C93.1 ; v1(59.28,34.32) 59.85,34.89 ; v1(68.19,84.46) 67.77,84.04 C121.2 ; v1(72.29,36.28) 72.29,36.23 72.66,35.87 C94.1 ; v1(81.3,89.2) 81.3,89.2 C30.2 ; C76.1 57.5,37.34 v1(58.29,37.34) ; 52.31,49.26 v1(53.25,48.32) ; 58.72,28.36 C79.1 ; C79.1 59.52,28.37 v1(60.21,29.06) ; C79.1 59.01,28.67 ; C181.1 74.88,38.2 v1(74.87,38.19) ; v1(59.93,21.36) C72.1 ; C20.2 64.81,55.26 v1(65.51,54.57) ; C78.1 55.53,24.57 v1(55.53,23.73) ; C21.2 60.22,44.26 v1(60.27,44.31) ; 31.89,40.4 v1(32.35,40.85) ; 59.1,72.44 57.67,72.44 ; C55.2 16.73,72.67 v1(16.72,72.68) ; C34.2 v1(80.57,87.28) ; C131.2 59.19,80 ; v1(73.69,58.69) 73.68,58.68 C19.2 69.75,58.68 C22.2 66.55,57.54 C23.2 ; v1(56.29,49.32) 56.26,49.32 v1(55.29,50.28) ; C38.2 36.86,107.78 v1(36.84,107.8) ; 59.12,73.22 57.69,73.22